# Altium PCB Graviton_11JAN15.PcbDoc (part 2 of 11) (continued)
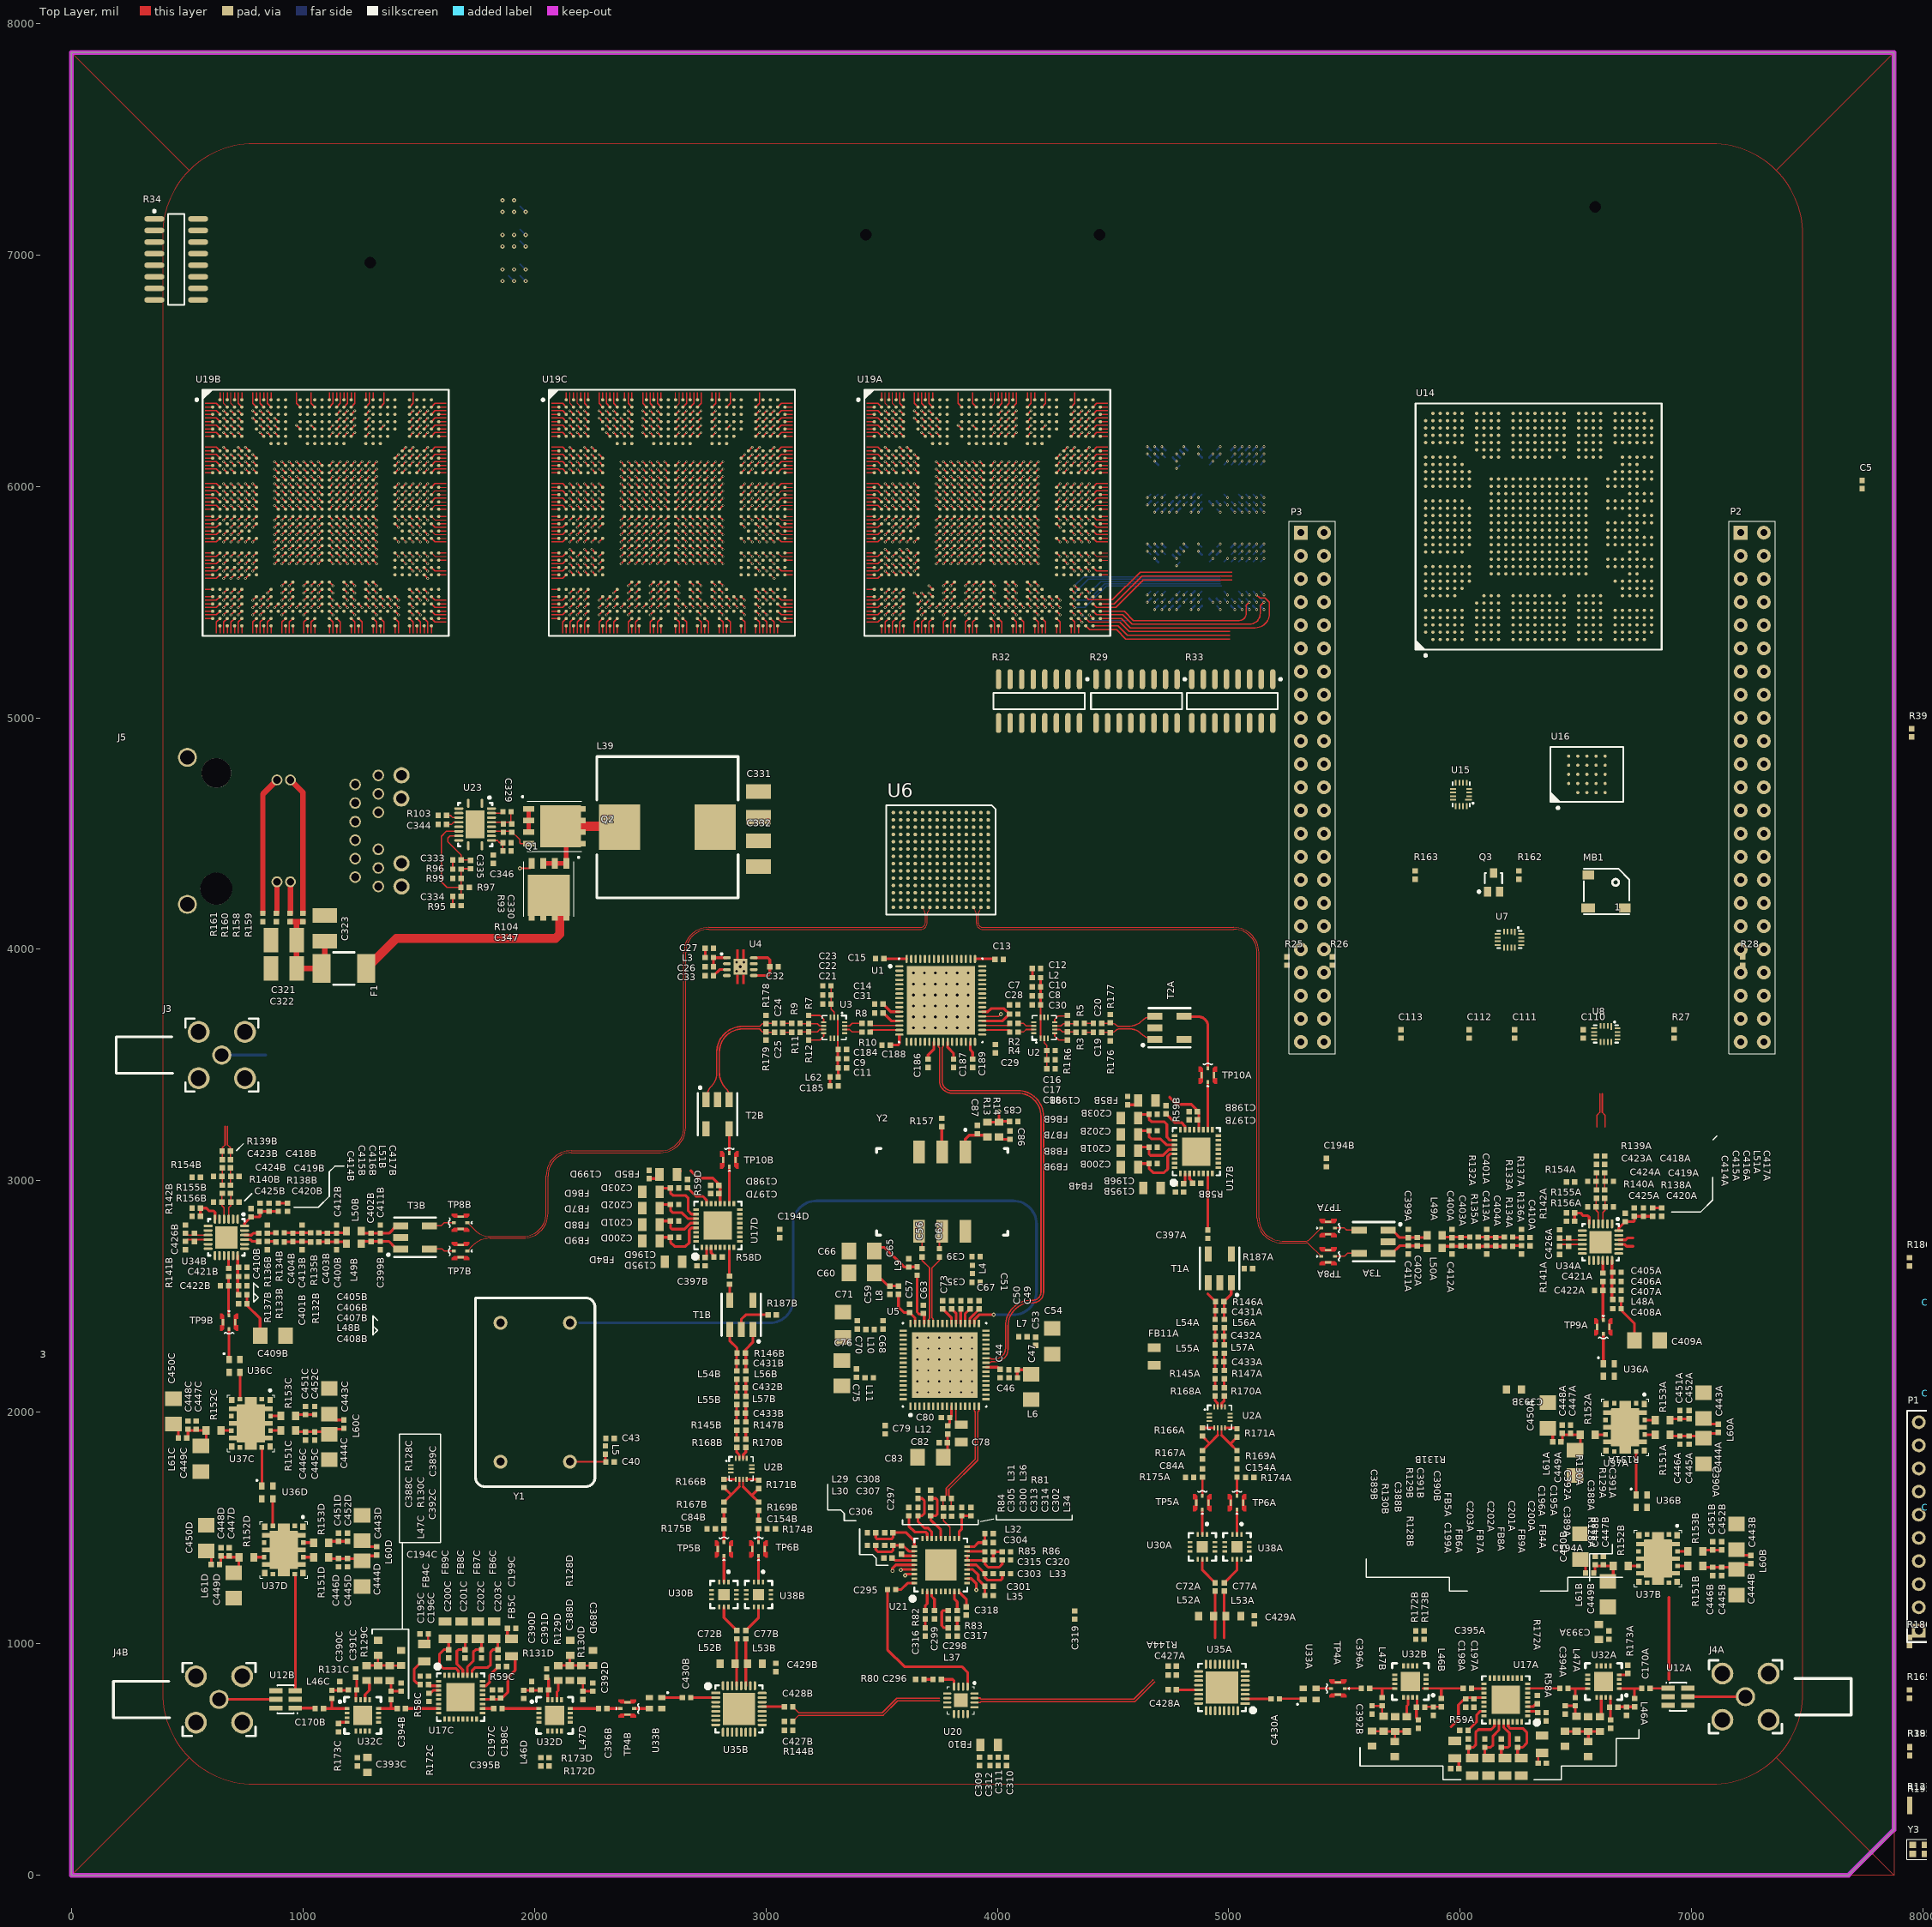
[diagram p0: Top Layer view]
## Components (designator, comment, footprint, x,y, rotation, side; value= is the part's Value field where it differs from the comment) (continued)
C230C "GRM155R71A104KA01J" CAPC1005X56N 9229.13,24718.8 r90 top (schematic designator C230)
C231A "GRM155R71A104KA01J" CAPC1005X56N 9524.4,19305.42 r90 top (schematic designator C231)
C231B "GRM155R71A104KA01J" CAPC1005X56N 9622.83,23340.85 r90 top (schematic designator C231)
C231C "GRM155R71A104KA01J" CAPC1005X56N 9622.83,24718.8 r90 top (schematic designator C231)
C232A "GRM155R71A104KA01J" CAPC1005X56N 9918.1,19600.69 r90 top (schematic designator C232)
C232B "GRM155R71A104KA01J" CAPC1005X56N 10016.53,25014.08 r90 top (schematic designator C232)
C232C "GRM155R71A104KA01J" CAPC1005X56N 10016.53,25407.78 r90 top (schematic designator C232)
C233A "GRM188R71A225KE15D" CAPC1608X90N 8048.02,19600.69 r90 top (schematic designator C233)
C233B "GRM188R71A225KE15D" CAPC1608X90N 8048.02,25014.08 r90 top (schematic designator C233)
C233C "GRM188R71A225KE15D" CAPC1608X90N 8048.02,25309.36 r90 top (schematic designator C233)
C234A "GRM155R71A104KA01J" CAPC1005X56N 8343.3,19600.69 r90 top (schematic designator C234)
C234B "GRM155R71A104KA01J" CAPC1005X56N 8441.72,25014.08 r90 top (schematic designator C234)
C234C "GRM155R71A104KA01J" CAPC1005X56N 8441.72,25407.78 r90 top (schematic designator C234)
C235A "GRM155R71A104KA01J" CAPC1005X56N 8737,19600.69 r90 top (schematic designator C235)
C235B "GRM155R71A104KA01J" CAPC1005X56N 8835.43,25014.08 r90 top (schematic designator C235)
C235C "GRM155R71A104KA01J" CAPC1005X56N 8835.43,25407.78 r90 top (schematic designator C235)
C236A "GRM155R71A104KA01J" CAPC1005X56N 9130.7,19600.69 r90 top (schematic designator C236)
C236B "GRM155R71A104KA01J" CAPC1005X56N 9229.13,25014.08 r90 top (schematic designator C236)
C236C "GRM155R71A104KA01J" CAPC1005X56N 9229.13,25407.78 r90 top (schematic designator C236)
C237A "GRM155R71A104KA01J" CAPC1005X56N 9524.4,19600.69 r90 top (schematic designator C237)
C237B "GRM155R71A104KA01J" CAPC1005X56N 9622.83,25014.08 r90 top (schematic designator C237)
C237C "GRM155R71A104KA01J" CAPC1005X56N 9622.83,25407.78 r90 top (schematic designator C237)
C238A "GRM155R71A104KA01J" CAPC1005X56N 10705.5,19994.39 r90 top (schematic designator C238)
C238B "GRM155R71A104KA01J" CAPC1005X56N 10902.35,25703.06 r90 top (schematic designator C238)
C238C "GRM155R71A104KA01J" CAPC1005X56N 10902.35,26096.76 r90 top (schematic designator C238)
C239A "GRM188R71A225KE15D" CAPC1608X90N 8048.02,19895.97 r90 top (schematic designator C239)
C239B "GRM188R71A225KE15D" CAPC1608X90N 8048.02,25703.06 r90 top (schematic designator C239)
C239C "GRM188R71A225KE15D" CAPC1608X90N 8048.02,25998.33 r90 top (schematic designator C239)
C240A "GRM155R71A104KA01J" CAPC1005X56N 8343.3,19994.39 r90 top (schematic designator C240)
C240B "GRM155R71A104KA01J" CAPC1005X56N 8441.72,25703.06 r90 top (schematic designator C240)
C240C "GRM155R71A104KA01J" CAPC1005X56N 8441.72,26096.76 r90 top (schematic designator C240)
C241A "GRM155R71A104KA01J" CAPC1005X56N 8737,19994.39 r90 top (schematic designator C241)
C241B "GRM155R71A104KA01J" CAPC1005X56N 8835.43,25703.06 r90 top (schematic designator C241)
C241C "GRM155R71A104KA01J" CAPC1005X56N 8835.43,26096.76 r90 top (schematic designator C241)
C242A "GRM155R71A104KA01J" CAPC1005X56N 9130.7,19994.39 r90 top (schematic designator C242)
C242B "GRM155R71A104KA01J" CAPC1005X56N 9229.13,25703.06 r90 top (schematic designator C242)
C242C "GRM155R71A104KA01J" CAPC1005X56N 9229.13,26096.76 r90 top (schematic designator C242)
C243A "GRM155R71A104KA01J" CAPC1005X56N 9524.4,19994.39 r90 top (schematic designator C243)
C243B "GRM155R71A104KA01J" CAPC1005X56N 9622.83,25703.06 r90 top (schematic designator C243)
C243C "GRM155R71A104KA01J" CAPC1005X56N 9622.83,26096.76 r90 top (schematic designator C243)
C244A "GRM188R71A225KE15D" CAPC1608X90N 9918.1,19895.97 r90 top (schematic designator C244)
C244B "GRM188R71A225KE15D" CAPC1608X90N 10016.53,25703.06 r90 top (schematic designator C244)
C244C "GRM188R71A225KE15D" CAPC1608X90N 10016.53,25998.33 r90 top (schematic designator C244)
C245A "GRM155R71A104KA01J" CAPC1005X56N 10311.8,19994.39 r90 top (schematic designator C245)
C245B "GRM155R71A104KA01J" CAPC1005X56N 10410.23,25703.06 r90 top (schematic designator C245)
C245C "GRM155R71A104KA01J" CAPC1005X56N 10410.23,26096.76 r90 top (schematic designator C245)
C246A "GRM155R71A104KA01J" CAPC1005X56N 10705.5,20289.67 r90 top (schematic designator C246)
C246B "GRM155R71A104KA01J" CAPC1005X56N 10902.35,26392.03 r90 top (schematic designator C246)
C246C "GRM155R71A104KA01J" CAPC1005X56N 10902.35,26785.73 r90 top (schematic designator C246)
C247A "GRM188R71A225KE15D" CAPC1608X90N 8048.02,20289.67 r90 top (schematic designator C247)
C247B "GRM188R71A225KE15D" CAPC1608X90N 8048.02,26392.03 r90 top (schematic designator C247)
C247C "GRM188R71A225KE15D" CAPC1608X90N 8048.02,26687.31 r90 top (schematic designator C247)
C248A "GRM155R71A104KA01J" CAPC1005X56N 8343.3,20289.67 r90 top (schematic designator C248)
C248B "GRM155R71A104KA01J" CAPC1005X56N 8441.72,26392.03 r90 top (schematic designator C248)
C248C "GRM155R71A104KA01J" CAPC1005X56N 8441.72,26785.73 r90 top (schematic designator C248)
C249A "GRM155R71A104KA01J" CAPC1005X56N 8737,20289.67 r90 top (schematic designator C249)
C249B "GRM155R71A104KA01J" CAPC1005X56N 8835.43,26392.03 r90 top (schematic designator C249)
C249C "GRM155R71A104KA01J" CAPC1005X56N 8835.43,26785.73 r90 top (schematic designator C249)
C250A "GRM155R71A104KA01J" CAPC1005X56N 9130.7,20289.67 r90 top (schematic designator C250)
C250B "GRM155R71A104KA01J" CAPC1005X56N 9229.13,26392.03 r90 top (schematic designator C250)
C250C "GRM155R71A104KA01J" CAPC1005X56N 9229.13,26785.73 r90 top (schematic designator C250)
C251A "GRM155R71A104KA01J" CAPC1005X56N 9524.4,20289.67 r90 top (schematic designator C251)
C251B "GRM155R71A104KA01J" CAPC1005X56N 9622.83,26392.03 r90 top (schematic designator C251)
C251C "GRM155R71A104KA01J" CAPC1005X56N 9622.83,26785.73 r90 top (schematic designator C251)
C252A "GRM188R71A225KE15D" CAPC1608X90N 9918.1,20289.67 r90 top (schematic designator C252)
C252B "GRM188R71A225KE15D" CAPC1608X90N 10016.53,26392.03 r90 top (schematic designator C252)
C252C "GRM188R71A225KE15D" CAPC1608X90N 10016.53,26687.31 r90 top (schematic designator C252)
C253A "GRM155R71A104KA01J" CAPC1005X56N 10311.8,20289.67 r90 top (schematic designator C253)
C253B "GRM155R71A104KA01J" CAPC1005X56N 10410.23,26392.03 r90 top (schematic designator C253)
C253C "GRM155R71A104KA01J" CAPC1005X56N 10410.23,26785.73 r90 top (schematic designator C253)
C254A "GRM155R71A104KA01J" CAPC1005X56N 9130.7,20683.37 r90 top (schematic designator C254)
C254B "GRM155R71A104KA01J" CAPC1005X56N 9229.13,27081.01 r90 top (schematic designator C254)
C254C "GRM155R71A104KA01J" CAPC1005X56N 9229.13,27474.71 r90 top (schematic designator C254)
C255A "GRM188R71A225KE15D" CAPC1608X90N 8048.02,20584.95 r90 top (schematic designator C255)
C255B "GRM188R71A225KE15D" CAPC1608X90N 8048.02,27081.01 r90 top (schematic designator C255)
C255C "GRM188R71A225KE15D" CAPC1608X90N 8048.02,27376.28 r90 top (schematic designator C255)
C256A "GRM155R71A104KA01J" CAPC1005X56N 8343.3,20683.37 r90 top (schematic designator C256)
C256B "GRM155R71A104KA01J" CAPC1005X56N 8441.72,27081.01 r90 top (schematic designator C256)
C256C "GRM155R71A104KA01J" CAPC1005X56N 8441.72,27474.71 r90 top (schematic designator C256)
C257A "GRM155R71A104KA01J" CAPC1005X56N 8737,20683.37 r90 top (schematic designator C257)
C257B "GRM155R71A104KA01J" CAPC1005X56N 8835.43,27081.01 r90 top (schematic designator C257)
C257C "GRM155R71A104KA01J" CAPC1005X56N 8835.43,27474.71 r90 top (schematic designator C257)
C258A "GRM155R71A104KA01J" CAPC1005X56N 10705.5,20978.65 r90 top (schematic designator C258)
C258B "GRM155R71A104KA01J" CAPC1005X56N 10902.35,27769.99 r90 top (schematic designator C258)
C258C "GRM155R71A104KA01J" CAPC1005X56N 10902.35,28163.69 r90 top (schematic designator C258)
C259A "GRM188R71A225KE15D" CAPC1608X90N 8048.02,20978.65 r90 top (schematic designator C259)
C259B "GRM188R71A225KE15D" CAPC1608X90N 8048.02,27769.99 r90 top (schematic designator C259)
C259C "GRM188R71A225KE15D" CAPC1608X90N 8048.02,28065.26 r90 top (schematic designator C259)
C260A "GRM155R71A104KA01J" CAPC1005X56N 8343.3,20978.65 r90 top (schematic designator C260)
C260B "GRM155R71A104KA01J" CAPC1005X56N 8441.72,27769.99 r90 top (schematic designator C260)
C260C "GRM155R71A104KA01J" CAPC1005X56N 8441.72,28163.69 r90 top (schematic designator C260)
C261A "GRM155R71A104KA01J" CAPC1005X56N 8737,20978.65 r90 top (schematic designator C261)
C261B "GRM155R71A104KA01J" CAPC1005X56N 8835.43,27769.99 r90 top (schematic designator C261)
C261C "GRM155R71A104KA01J" CAPC1005X56N 8835.43,28163.69 r90 top (schematic designator C261)
C262A "GRM155R71A104KA01J" CAPC1005X56N 9130.7,20978.65 r90 top (schematic designator C262)
C262B "GRM155R71A104KA01J" CAPC1005X56N 9229.13,27769.99 r90 top (schematic designator C262)
C262C "GRM155R71A104KA01J" CAPC1005X56N 9229.13,28163.69 r90 top (schematic designator C262)
C263A "GRM155R71A104KA01J" CAPC1005X56N 9524.4,20978.65 r90 top (schematic designator C263)
C263B "GRM155R71A104KA01J" CAPC1005X56N 9622.83,27769.99 r90 top (schematic designator C263)
C263C "GRM155R71A104KA01J" CAPC1005X56N 9622.83,28163.69 r90 top (schematic designator C263)
C264A "GRM188R71A225KE15D" CAPC1608X90N 9918.1,20978.65 r90 top (schematic designator C264)
C264B "GRM188R71A225KE15D" CAPC1608X90N 10016.53,27769.99 r90 top (schematic designator C264)
C264C "GRM188R71A225KE15D" CAPC1608X90N 10016.53,28065.26 r90 top (schematic designator C264)
C265A "GRM155R71A104KA01J" CAPC1005X56N 10311.8,20978.65 r90 top (schematic designator C265)
C265B "GRM155R71A104KA01J" CAPC1005X56N 10410.23,27769.99 r90 top (schematic designator C265)
C265C "GRM155R71A104KA01J" CAPC1005X56N 10410.23,28163.69 r90 top (schematic designator C265)
C266A "GRM155R71A104KA01J" CAPC1005X56N 10705.5,21372.35 r90 top (schematic designator C266)
C266B "GRM155R71A104KA01J" CAPC1005X56N 10902.35,28458.96 r90 top (schematic designator C266)
C266C "GRM155R71A104KA01J" CAPC1005X56N 10902.35,28852.66 r90 top (schematic designator C266)
C267A "GRM188R71A225KE15D" CAPC1608X90N 8048.02,21273.92 r90 top (schematic designator C267)
C267B "GRM188R71A225KE15D" CAPC1608X90N 8048.02,28458.96 r90 top (schematic designator C267)
C267C "GRM188R71A225KE15D" CAPC1608X90N 8048.02,28754.24 r90 top (schematic designator C267)
C268A "GRM155R71A104KA01J" CAPC1005X56N 8343.3,21372.35 r90 top (schematic designator C268)
C268B "GRM155R71A104KA01J" CAPC1005X56N 8441.72,28458.96 r90 top (schematic designator C268)
C268C "GRM155R71A104KA01J" CAPC1005X56N 8441.72,28852.66 r90 top (schematic designator C268)
C269A "GRM155R71A104KA01J" CAPC1005X56N 8737,21372.35 r90 top (schematic designator C269)
C269B "GRM155R71A104KA01J" CAPC1005X56N 8835.43,28458.96 r90 top (schematic designator C269)
C269C "GRM155R71A104KA01J" CAPC1005X56N 8835.43,28852.66 r90 top (schematic designator C269)
C270A "GRM155R71A104KA01J" CAPC1005X56N 9130.7,21372.35 r90 top (schematic designator C270)
C270B "GRM155R71A104KA01J" CAPC1005X56N 9229.13,28458.96 r90 top (schematic designator C270)
C270C "GRM155R71A104KA01J" CAPC1005X56N 9229.13,28852.66 r90 top (schematic designator C270)
C271A "GRM155R71A104KA01J" CAPC1005X56N 9524.4,21372.35 r90 top (schematic designator C271)
C271B "GRM155R71A104KA01J" CAPC1005X56N 9622.83,28458.96 r90 top (schematic designator C271)
C271C "GRM155R71A104KA01J" CAPC1005X56N 9622.83,28852.66 r90 top (schematic designator C271)
C272A "GRM188R71A225KE15D" CAPC1608X90N 9918.1,21273.92 r90 top (schematic designator C272)
C272B "GRM188R71A225KE15D" CAPC1608X90N 10016.53,28458.96 r90 top (schematic designator C272)
C272C "GRM188R71A225KE15D" CAPC1608X90N 10016.53,28754.24 r90 top (schematic designator C272)
C273A "GRM155R71A104KA01J" CAPC1005X56N 10311.8,21372.35 r90 top (schematic designator C273)
C273B "GRM155R71A104KA01J" CAPC1005X56N 10410.23,28458.96 r90 top (schematic designator C273)
C273C "GRM155R71A104KA01J" CAPC1005X56N 10410.23,28852.66 r90 top (schematic designator C273)
C274A "GRM155R71A104KA01J" CAPC1005X56N 13461.41,21667.62 r90 top (schematic designator C274)
C274B "GRM155R71A104KA01J" CAPC1005X56N 13756.69,29147.94 r90 top (schematic designator C274)
C274C "GRM155R71A104KA01J" CAPC1005X56N 13756.69,29541.64 r90 top (schematic designator C274)
C275A "GRM188R71A225KE15D" CAPC1608X90N 8048.02,21667.62 r90 top (schematic designator C275)
C275B "GRM188R71A225KE15D" CAPC1608X90N 8048.02,29147.94 r90 top (schematic designator C275)
C275C "GRM188R71A225KE15D" CAPC1608X90N 8048.02,29443.21 r90 top (schematic designator C275)
C276A "GRM155R71A104KA01J" CAPC1005X56N 8343.3,21667.62 r90 top (schematic designator C276)
C276B "GRM155R71A104KA01J" CAPC1005X56N 8441.72,29147.94 r90 top (schematic designator C276)
C276C "GRM155R71A104KA01J" CAPC1005X56N 8441.72,29541.64 r90 top (schematic designator C276)
C277A "GRM155R71A104KA01J" CAPC1005X56N 8737,21667.62 r90 top (schematic designator C277)
C277B "GRM155R71A104KA01J" CAPC1005X56N 8835.43,29147.94 r90 top (schematic designator C277)
C277C "GRM155R71A104KA01J" CAPC1005X56N 8835.43,29541.64 r90 top (schematic designator C277)
C278A "CAP 0402" 0402 19488.19,24425.98 r90 top (schematic designator C278)
C278B "CAP 0402" 0402 14150.39,29836.91 r90 top (schematic designator C278)
C278C "CAP 0402" 0402 14150.39,30230.62 r90 top (schematic designator C278)
C279A "CAP 0402" 0402 19881.89,24425.98 r90 top (schematic designator C279)
C279B "CAP 0402" 0402 14544.09,29836.91 r90 top (schematic designator C279)
C279C "CAP 0402" 0402 14544.09,30230.62 r90 top (schematic designator C279)
C280A "GRM155R71A104KA01J" CAPC1005X56N 17913.39,24425.98 r90 top (schematic designator C280)
C280B "GRM155R71A104KA01J" CAPC1005X56N 12477.16,29836.91 r90 top (schematic designator C280)
C280C "GRM155R71A104KA01J" CAPC1005X56N 12477.16,30230.62 r90 top (schematic designator C280)
C281A "GRM155R71A104KA01J" CAPC1005X56N 18307.09,24425.98 r90 top (schematic designator C281)
C281B "GRM155R71A104KA01J" CAPC1005X56N 12870.86,29836.91 r90 top (schematic designator C281)
C281C "GRM155R71A104KA01J" CAPC1005X56N 12870.86,30230.62 r90 top (schematic designator C281)
C282A "GRM155R71A104KA01J" CAPC1005X56N 18700.79,24425.98 r90 top (schematic designator C282)
C282B "GRM155R71A104KA01J" CAPC1005X56N 13264.56,29836.91 r90 top (schematic designator C282)
C282C "GRM155R71A104KA01J" CAPC1005X56N 13264.56,30230.62 r90 top (schematic designator C282)
C283A "GRM155R71A104KA01J" CAPC1005X56N 19094.49,24425.98 r90 top (schematic designator C283)
C283B "GRM155R71A104KA01J" CAPC1005X56N 13756.69,29836.91 r90 top (schematic designator C283)
C283C "GRM155R71A104KA01J" CAPC1005X56N 13756.69,30230.62 r90 top (schematic designator C283)
C284A "GRM188R71A225KE15D" CAPC1608X90N 13681.1,24327.56 r90 top (schematic designator C284)
C284B "GRM188R71A225KE15D" CAPC1608X90N 8048.02,29836.91 r90 top (schematic designator C284)
C284C "GRM188R71A225KE15D" CAPC1608X90N 8048.02,30132.19 r90 top (schematic designator C284)
C285A "GRM188R71A225KE15D" CAPC1608X90N 14074.8,24327.56 r90 top (schematic designator C285)
C285B "GRM188R71A225KE15D" CAPC1608X90N 8441.72,29836.91 r90 top (schematic designator C285)
C285C "GRM188R71A225KE15D" CAPC1608X90N 8441.72,30132.19 r90 top (schematic designator C285)
C286A "GRM188R71A225KE15D" CAPC1608X90N 14370.08,24327.56 r90 top (schematic designator C286)
C286B "GRM188R71A225KE15D" CAPC1608X90N 8835.43,29836.91 r90 top (schematic designator C286)
C286C "GRM188R71A225KE15D" CAPC1608X90N 8835.43,30132.19 r90 top (schematic designator C286)
C287A "GRM155R71A104KA01J" CAPC1005X56N 14763.78,24425.98 r90 top (schematic designator C287)
C287B "GRM155R71A104KA01J" CAPC1005X56N 9229.13,29836.91 r90 top (schematic designator C287)
C287C "GRM155R71A104KA01J" CAPC1005X56N 9229.13,30230.62 r90 top (schematic designator C287)
C288A "GRM155R71A104KA01J" CAPC1005X56N 15157.48,24425.98 r90 top (schematic designator C288)
C288B "GRM155R71A104KA01J" CAPC1005X56N 9622.83,29836.91 r90 top (schematic designator C288)
C288C "GRM155R71A104KA01J" CAPC1005X56N 9622.83,30230.62 r90 top (schematic designator C288)
C289A "GRM155R71A104KA01J" CAPC1005X56N 15551.18,24425.98 r90 top (schematic designator C289)
C289B "GRM155R71A104KA01J" CAPC1005X56N 10016.53,29836.91 r90 top (schematic designator C289)
C289C "GRM155R71A104KA01J" CAPC1005X56N 10016.53,30230.62 r90 top (schematic designator C289)
C290A "GRM155R71A104KA01J" CAPC1005X56N 15944.88,24425.98 r90 top (schematic designator C290)
C290B "GRM155R71A104KA01J" CAPC1005X56N 10410.23,29836.91 r90 top (schematic designator C290)
C290C "GRM155R71A104KA01J" CAPC1005X56N 10410.23,30230.62 r90 top (schematic designator C290)
C291A "GRM155R71A104KA01J" CAPC1005X56N 16338.58,24425.98 r90 top (schematic designator C291)
C291B "GRM155R71A104KA01J" CAPC1005X56N 10902.35,29836.91 r90 top (schematic designator C291)
C291C "GRM155R71A104KA01J" CAPC1005X56N 10902.35,30230.62 r90 top (schematic designator C291)
C292A "GRM155R71A104KA01J" CAPC1005X56N 16732.28,24425.98 r90 top (schematic designator C292)
C292B "GRM155R71A104KA01J" CAPC1005X56N 11296.06,29836.91 r90 top (schematic designator C292)
C292C "GRM155R71A104KA01J" CAPC1005X56N 11296.06,30230.62 r90 top (schematic designator C292)
C293A "GRM155R71A104KA01J" CAPC1005X56N 17125.98,24425.98 r90 top (schematic designator C293)
C293B "GRM155R71A104KA01J" CAPC1005X56N 11689.76,29836.91 r90 top (schematic designator C293)
C293C "GRM155R71A104KA01J" CAPC1005X56N 11689.76,30230.62 r90 top (schematic designator C293)
C294A "GRM155R71A104KA01J" CAPC1005X56N 17519.69,24425.98 r90 top (schematic designator C294)
C294B "GRM155R71A104KA01J" CAPC1005X56N 12083.46,29836.91 r90 top (schematic designator C294)
C294C "GRM155R71A104KA01J" CAPC1005X56N 12083.46,30230.62 r90 top (schematic designator C294)
C295 "CAP 0402" 0402 3543.31,1234.45 r180 top
C296 "CAP 0402" 0402 3740.16,846.46 r0 top
C297 "CAP 0402" 0402 3586.61,1405.51 r90 top
C298 "CAP 0402" 0402 3787.4,1125.98 r90 top
C299 "CAP 0402" 0402 3728.35,1125.98 r90 top
C300 "CAP 0402" 0402 3712.6,1570.87 r270 top
C301 "CAP 0402" 0402 3964.57,1248.03 r180 top
C302 "CAP 0402" 0402 3846.46,1570.87 r270 top
C303 "CAP 0402" 0402 3964.57,1303.15 r180 top
C304 "CAP 0402" 0402 3964.57,1437.01 r180 top
C305 "CAP 0402" 0402 3657.48,1570.87 r270 top
C306 "CAP 0402" 0402 3527.56,1370.08 r0 top
C307 "CAP 0402" 0402 3531.5,1425.2 r0 top
C308 "CAP 0402" 0402 3531.5,1480.32 r0 top
C309 "1uF" 0402 3923.23,492.32 r90 top
C310 "1uF" 0402 4039.17,492.32 r90 top
C311 "100nF" 0402 4003.74,492.32 r90 top
C312 "100nF" 0402 3968.31,492.32 r90 top
C313 "CAP 0402" 0402 3767.72,1569.09 r90 top
C314 "CAP 0402" 0402 3803.15,1569.09 r90 top
C315 "CAP 0402" 0402 3964.57,1362.2 r180 top
C316 "CAP 0402" 0402 3688.98,1051.18 r270 top
C317 "CAP 0402" 0402 3826.77,1051.18 r90 top
C318 "CAP 0402" 0402 3866.14,1141.73 r90 top
C319 "CAP 0402" 0402 4334.65,1124.21 r90 top
C320 "CAP 0402" 0402 4039.37,1362.2 r180 top
C321 "CAP" 1210 917.32,4039.37 r0 top
C322 "CAP" 1210 917.32,3917.32 r0 top
C323 "CAP" 1210 1094.49,4090.55 r270 top
C324 "CAP 10UF 0402" 0402 18129.92,14645.67 r90 top
C325 "CAP 10UF 0402" 0402 18425.2,14645.67 r90 top
C326 "CAP 10UF 0402" 0402 18720.47,14645.67 r90 top
C327 "CAP 10UF 0402" 0402 19015.75,14645.67 r90 top
C328 "CAP 33pF 0402" 0402 17342.52,14645.67 r90 top
C329 "100nF" 0402 1881.89,4594.49 r180 top
C330 "100nF" 0402 1901.57,4523.62 r90 top
C331 "CAP" 1210 2968.5,4625.98 r270 top
C332 "CAP" 1210 2968.5,4413.39 r90 top
C333 "12nF" 0402 1665.35,4385.83 r0 top
C334 "2.7nF" 0402 1665.35,4228.35 r180 top
C335 "1.3nF" 0402 1724.41,4366.14 r90 top
C336 "CAP 10UF 0402" 0402 19744.09,15236.22 r90 top
C337 "CAP 10UF 0402" 0402 19940.94,15236.22 r90 top
C338 "CAP 10UF 0402" 0402 20236.22,15236.22 r90 top
C339 "CAP 0402" 0402 19153.54,15236.22 r90 top
C340 "1.0nF" 0402 19448.82,15236.22 r90 top
C341 "CAP 10UF 0402" 0402 17480.31,15236.22 r90 top
C342 "CAP 10UF 0402" 0402 17677.17,15236.22 r90 top
C343 "CAP 10UF 0402" 0402 17972.44,15236.22 r90 top
C344 "2.2nF" 0402 1602.36,4539.37 r180 top
C345 "2.2nF" 0402 16594.49,15236.22 r90 top
C346 "4.7uF" 0402 1822.83,4389.76 r270 top
C347 "1nF" 0402 1881.89,4425.2 r0 top
C348 "CAP 0402" 0402 14921.26,15236.22 r90 top
C349 "CAP 0402" 0402 14035.43,15236.22 r90 top
C350 "CAP 0402" 0402 14330.71,15236.22 r90 top
C351 "CAP 0603" 0603 20548.02,15762.11 r90 top
C352 "CAP 0603" 0603 20843.3,15762.11 r90 top
C353 "CAP 0603" 0603 12952.76,15236.22 r90 top
C354 "1nF, 50V" 0402 18284.24,15762.11 r90 top
C355 "CAP 10UF 0402" 0402 16020.47,15762.11 r90 top
C356 "CAP 10UF 0402" 0402 16315.74,15762.11 r90 top
C357 "CAP 10UF 0402" 0402 16611.02,15762.11 r90 top
C358 "CAP 10UF 0402" 0402 16906.29,15762.11 r90 top
C359 "CAP 10UF 0402" 0402 17201.57,15762.11 r90 top
C360 "CAP 10UF 0402" 0402 17496.84,15762.11 r90 top
C361 "CAP 10UF 0402" 0402 17792.12,15762.11 r90 top
C362 "CAP 10UF 0402" 0402 17988.97,15762.11 r90 top
C363 "CAP 0603" 0603 15725.19,15762.11 r90 top
C364 "CAP 33pF 0402" 0402 14642.51,15762.11 r90 top
C365 "CAP 33pF 0402" 0402 14839.36,15762.11 r90 top
C366 "CAP 0402" 0402 13461.41,15762.11 r90 top
C367 "CAP 0603" 0603 13756.69,15762.11 r90 top
C368 "CAP 0603" 0603 14051.96,15762.11 r90 top
C369 "CAP 10UF 0402" 0402 17125.98,16181.1 r90 top
C370 "CAP 10UF 0402" 0402 17421.26,16181.1 r90 top
C371 "CAP 10UF 0402" 0402 17716.54,16181.1 r90 top
C372 "CAP 10UF 0402" 0402 17913.39,16181.1 r90 top
C373 "CAP 10UF 0402" 0402 15944.88,16181.1 r90 top
C374 "CAP 10UF 0402" 0402 16240.16,16181.1 r90 top
C375 "CAP 10UF 0402" 0402 16535.43,16181.1 r90 top
C376 "CAP 10UF 0402" 0402 16830.71,16181.1 r90 top
C377 "CAP 0402" 0402 15354.33,16181.1 r90 top
C378 "CAP 33pF 0402" 0402 15059.06,16181.1 r90 top
C379A "1uF" 0402 11960.13,4749.3 r0 top (schematic designator C379)
C379B "1uF" 0402 9408.95,4093.99 r0 top (schematic designator C379)
C380A "100nF" 0402 11960.13,4749.3 r0 top (schematic designator C380)
C380B "100nF" 0402 9408.95,4093.99 r0 top (schematic designator C380)
C382A "1uF" 0402 -2711.61,-2139.76 r180 top (schematic designator C382)
C382B "1uF" 0402 -3546.26,-2139.76 r180 top (schematic designator C382)
C382C "1uF" 0402 10589.57,3931.1 r0 top (schematic designator C382)
C382D "1uF" 0402 11418.31,3931.1 r0 top (schematic designator C382)
C383A "1uF" 0402 -2951.77,-2187.01 r180 top (schematic designator C383)
C383B "1uF" 0402 -3786.42,-2187.01 r180 top (schematic designator C383)
C383C "1uF" 0402 10829.72,3978.35 r0 top (schematic designator C383)
C383D "1uF" 0402 11658.46,3978.35 r0 top (schematic designator C383)
C384A "1uF" 0402 -2762.8,-2446.85 r180 top (schematic designator C384)
C384B "1uF" 0402 -3597.44,-2446.85 r180 top (schematic designator C384)
C384C "1uF" 0402 10640.75,4238.19 r0 top (schematic designator C384)
C384D "1uF" 0402 11469.49,4238.19 r0 top (schematic designator C384)
C385A "100nF" 0402 -2916.34,-1907.48 r180 top (schematic designator C385)
C385B "100nF" 0402 -3750.98,-1907.48 r180 top (schematic designator C385)
C385C "100nF" 0402 10794.29,3698.82 r0 top (schematic designator C385)
C385D "100nF" 0402 11623.03,3698.82 r0 top (schematic designator C385)
C386A "100nF" 0402 -2506.89,-2403.54 r180 top (schematic designator C386)
C386B "100nF" 0402 -3341.54,-2403.54 r180 top (schematic designator C386)
C386C "100nF" 0402 10384.84,4194.88 r0 top (schematic designator C386)
C386D "100nF" 0402 11213.58,4194.88 r0 top (schematic designator C386)
C387A "100nF" 0402 -3298.23,-1982.28 r180 top (schematic designator C387)
C387B "100nF" 0402 -4132.87,-1982.28 r180 top (schematic designator C387)
C387C "100nF" 0402 11176.18,3773.62 r0 top (schematic designator C387)
C387D "100nF" 0402 12004.92,3773.62 r0 top (schematic designator C387)
C388A "CAP 0603" 0603 6553.15,653.54 r270 top (schematic designator C388)
C388B "CAP 0603" 0603 5718.5,653.54 r270 top (schematic designator C388)
C388C "CAP 0603" 0603 1324.8,874.02 r90 top (schematic designator C388)
C388D "CAP 0603" 0603 2153.54,874.02 r90 top (schematic designator C388)
C389A "CAP 0603" 0603 6452.56,590.35 r90 top (schematic designator C389)
C389B "CAP 0603" 0603 5619.09,590.75 r90 top (schematic designator C389)
C389C "CAP 0603" 0603 1424.21,938.98 r270 top (schematic designator C389)
C389D "CAP 0603" 0603 2252.95,938.98 r270 top (schematic designator C389)
C390A "CAP 0402" 0402 6718.5,708.66 r270 top (schematic designator C390)
C390B "CAP 0402" 0402 5883.86,708.66 r270 top (schematic designator C390)
C390C "CAP 0402" 0402 1159.45,818.9 r90 top (schematic designator C390)
C390D "CAP 0402" 0402 1988.19,818.9 r90 top (schematic designator C390)
C391A "CAP 0402" 0402 6649.41,653.35 r90 top (schematic designator C391)
C391B "CAP 0402" 0402 5818.9,653.54 r90 top (schematic designator C391)
C391C "CAP 0402" 0402 1228.35,874.02 r270 top (schematic designator C391)
C391D "CAP 0402" 0402 2053.15,874.02 r270 top (schematic designator C391)
C392A "CAP 0402" 0402 6453.74,714.57 r90 top (schematic designator C392)
C392B "CAP 0402" 0402 5619.09,714.57 r90 top (schematic designator C392)
C392C "CAP 0402" 0402 1424.21,812.99 r270 top (schematic designator C392)
C392D "CAP 0402" 0402 2252.95,812.99 r270 top (schematic designator C392)
C393A "CAP 0603" 0603 6598.43,1051.18 r270 top (schematic designator C393)
C393B "CAP 0603" 0603 6232.28,2098.43 r180 top (schematic designator C393)
C393C "CAP 0603" 0603 1279.53,476.38 r90 top (schematic designator C393)
C393D "CAP 0603" 0603 -357.28,1187.01 r0 top (schematic designator C393)
C394A "CAP 0402" 0402 6447.83,807.09 r0 top (schematic designator C394)
C394B "CAP 0402" 0402 1425.2,720.47 r180 top (schematic designator C394)
C395A "CAP 0402" 0402 6030.51,807.09 r0 top (schematic designator C395)
C395B "CAP 0402" 0402 1842.52,720.47 r180 top (schematic designator C395)
C396A "CAP 0402" 0402 5590.55,807.09 r0 top (schematic designator C396)
C396B "CAP 0402" 0402 2295.28,720.47 r180 top (schematic designator C396)
C397A "CAP 0402" 0402 4909.45,2769.69 r270 top (schematic designator C397)
C397B "CAP 0402" 0402 2842.52,2570.87 r270 top (schematic designator C397)
C399A "CAP 0402" 0402 5775.59,2772.64 r270 top (schematic designator C399)
C399B "CAP 0402" 0402 1334.65,2720.47 r90 top (schematic designator C399)
C400A "CAP 0402" 0402 5964.57,2772.64 r270 top (schematic designator C400)
C400B "CAP 0402" 0402 1145.67,2720.47 r90 top (schematic designator C400)
C401A "CAP 0402" 0402 6114.17,2772.64 r270 top (schematic designator C401)
C401B "CAP 0402" 0402 996.06,2720.47 r90 top (schematic designator C401)
C402A "CAP 0402" 0402 5814.96,2737.2 r90 top (schematic designator C402)
C402B "CAP 0402" 0402 1295.28,2755.91 r270 top (schematic designator C402)
C403A "CAP 0402" 0402 6003.94,2737.2 r90 top (schematic designator C403)
C403B "CAP 0402" 0402 1106.3,2755.91 r270 top (schematic designator C403)
C404A "CAP 0402" 0402 6153.54,2737.2 r90 top (schematic designator C404)
C404B "CAP 0402" 0402 956.69,2755.91 r270 top (schematic designator C404)
C405A "CAP 0402" 0402 6677.17,2605.31 r180 top (schematic designator C405)
C405B "CAP 0402" 0402 740.16,2625.98 r180 top (schematic designator C405)
C406A "CAP 0402" 0402 6677.17,2565.94 r180 top (schematic designator C406)
C406B "CAP 0402" 0402 740.16,2586.61 r180 top (schematic designator C406)
C407A "CAP 0402" 0402 6677.17,2526.57 r180 top (schematic designator C407)
C407B "CAP 0402" 0402 740.16,2547.24 r180 top (schematic designator C407)